# Altium PCB Copy of DIOT_temperature_logger.PcbDoc (part 4 of 7)
Units mm, origin at the board's own origin, x right, y up, seen from the top; angles counter-clockwise.
Board outline 301.1 x 109.1 mm, 4 copper layers (TOP, MID1, MID2, BOT), stack 1.564 mm thick; 651 components, 619 nets, 2526 pads, 1345 vias.
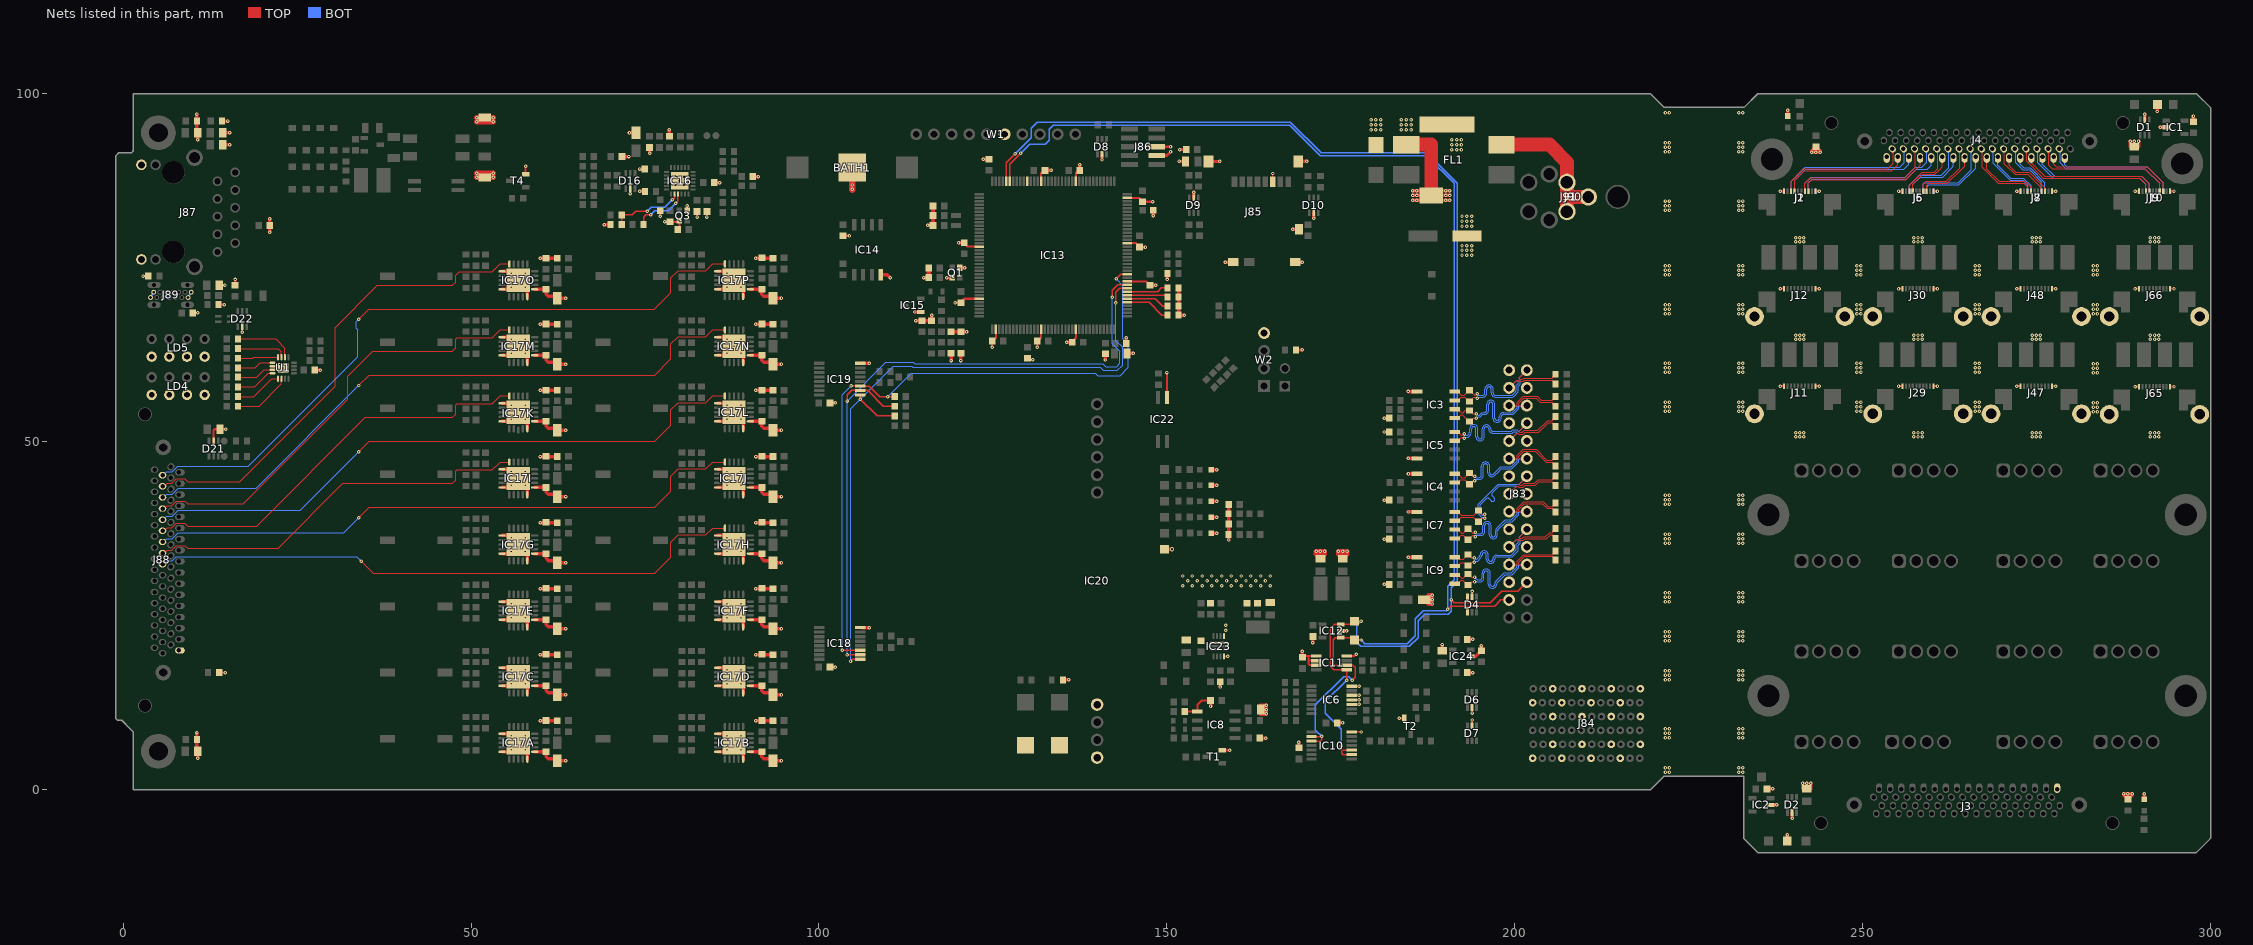
[diagram p6: the nets of this part, all layers, seen from the top]

## Via types
v1: diameter 0.5, hole 0.2, TOP to BOT, tented both sides, 1333 vias
v2: diameter 0.66, hole 0.33, TOP to BOT, tented both sides, 6 vias
v3: diameter 0.6, hole 0.3, TOP to BOT, tented both sides, 6 vias

## Nets (pads, with @x,y where several pads share a name; then routed paths per layer and width w, separated by ;. In a path a pad name is that pad's centre, name@x,y a point inside that pad or via, vN(x,y) a via of type N, cw(c..) or ccw(c..) an arc to the next point about the centre after c; other vN are vias at no path point) (continued)
FORCE_P07: IC17H.5 J88.51 | length 86.2
  TOP w0.152: v1(34.2,32.825) 35.939,31.086 76.411,31.086 78.725,33.4 78.725,35.572 79.752,36.598 83.765,36.598 84.742,37.575 IC17H.5@86.5,37.575
  BOT w0.152: J88.51@5.65,32.395 5.758,32.395 6.234,32.871 7.052,32.871 7.629,33.448 33.577,33.448 v1(34.2,32.825)
FORCE_P08: IC17I.5 J88.53 | length 56.6
  TOP w0.152: IC17I.5@55.5,47.075 54.2,47.075 53.075,45.95 47.975,45.95 47.775,45.75 47.775,44.475 47.3,44 31.585,44 22.259,34.674 9.251,34.674 8.875,35.05 7.631,35.05 6.981,34.4 6.344,34.4 J88.53@5.939,33.995 ; J88.53@5.939,33.995 J88.53@5.65,33.995 J88.53@5.939,33.995
FORCE_P09: IC17J.5 J88.55 | length 86.9
  TOP w0.152: v1(33.861,39.085) 35.363,40.586 36.79,40.586 76.411,40.586 78.725,42.9 78.725,45.072 79.752,46.098 83.765,46.098 84.742,47.075 IC17J.5@86.5,47.075
  BOT w0.152: J88.55@5.65,35.595 5.758,35.595 6.234,36.071 7.052,36.071 7.923,36.942 31.719,36.942 v1(33.861,39.085)
FORCE_P10: IC17K.5 J88.57 | length 58.9
  TOP w0.152: J88.57@5.65,37.195 5.939,37.195 6.344,37.6 6.981,37.6 7.631,38.25 8.875,38.25 9.251,37.874 19.184,37.874 34.81,53.5 47.3,53.5 47.775,53.975 47.775,55.25 47.975,55.45 53.075,55.45 54.2,56.575 IC17K.5@55.5,56.575
FORCE_P11: IC17L.5 J88.59 | length 89.5
  TOP w0.152: v1(33.861,48.585) 35.363,50.086 36.79,50.086 76.411,50.086 78.725,52.4 78.725,54.572 79.752,55.598 83.765,55.598 84.742,56.575 IC17L.5@86.5,56.575
  BOT w0.152: J88.59@5.65,38.795 5.758,38.795 6.234,39.271 7.052,39.271 7.923,40.142 25.419,40.142 v1(33.861,48.585)
FORCE_P12: IC17M.5 J88.61 | length 63.5
  TOP w0.152: J88.61@5.65,40.395 5.939,40.395 6.344,40.8 6.981,40.8 7.631,41.45 8.875,41.45 9.251,41.074 17.249,41.074 32.262,56.087 32.262,59.402 35.86,63 47.3,63 47.775,63.475 47.775,64.75 47.975,64.95 53.075,64.95 54.2,66.075 IC17M.5@55.5,66.075
FORCE_P13: IC17N.5 J88.63 | length 92.1
  TOP w0.152: v1(33.861,58.085) 35.363,59.586 36.79,59.586 76.411,59.586 78.725,61.9 78.725,64.072 79.752,65.098 83.765,65.098 84.742,66.075 IC17N.5@86.5,66.075
  BOT w0.152: J88.63@5.65,41.995 5.758,41.995 6.234,42.471 7.052,42.471 7.923,43.342 19.119,43.342 v1(33.861,58.085)
FORCE_P14: IC17O.5 J88.65 | length 68.9
  TOP w0.152: J88.65@5.65,43.595 5.939,43.595 6.344,44 6.981,44 7.631,44.65 8.875,44.65 9.25,44.275 16.78,44.275 30.45,57.945 30.45,66.375 36.55,72.475 47.3,72.475 47.775,72.95 47.775,73.925 48.275,74.425 53.075,74.425 54.2,75.55 IC17O.5@55.5,75.55
FORCE_P15: IC17P.5 J88.67 | length 97.9
  TOP w0.152: v1(33.861,67.585) 35.315,69.038 76.363,69.038 78.725,71.4 78.725,73.572 79.752,74.598 83.765,74.598 84.742,75.575 IC17P.5@86.5,75.575
  BOT w0.152: J88.67@5.65,45.195 5.758,45.195 6.234,45.671 7.052,45.671 7.824,46.443 17.957,46.443 33.707,62.192 33.707,66.074 33.5,66.281 33.5,67.223 v1(33.861,67.585)
FRTDIN_N00: J1.3 J4.2 | length 19.3
  TOP w0.152: J1.3@239.75,86 239.75,87.475 241.521,89.246 253.621,89.246 254.429,90.054 254.429,91.434 254.4,91.464 254.4,91.995 J4.2@254.295,92.1
FRTDIN_N01: J2.8 J4.4 | length 20.9
  BOT w0.152: J2.8@239.75,86 239.75,87.45 241.763,89.463 255.388,89.463 256.029,90.104 256.029,91.966 J4.4@255.895,92.1
FRTDIN_N02: J1.7 J4.6 | length 20.7
  TOP w0.152: J1.7@241.75,86 241.75,87.15 242.534,87.934 256.079,87.934 257.629,89.484 257.629,91.434 257.6,91.464 257.6,91.995 J4.6@257.495,92.1
FRTDIN_N03: J2.4 J4.8 | length 21.9
  BOT w0.152: J2.4@241.75,86 241.75,87.15 242.646,88.046 256.196,88.046 257.588,89.438 258.508,89.438 259.229,90.159 259.229,91.966 J4.8@259.095,92.1
FRTDIN_N04: J4.10 J5.3 | length 8.7
  TOP w0.152: J5.3@256.75,86 256.75,86.879 258.579,88.709 260.319,88.709 260.828,89.218 260.828,89.253 260.829,89.254 J4.10@260.829,91.966
FRTDIN_N05: J4.12 J6.8 | length 10.3
  BOT w0.152: J6.8@256.75,86 256.75,86.879 258.191,88.321 261.329,88.321 262.429,89.421 262.429,91.966 J4.12@262.295,92.1
FRTDIN_N06: J4.14 J5.7 | length 9.9
  TOP w0.152: J5.7@258.75,86 258.75,87 259.159,87.409 262.094,87.409 264.029,89.345 264.029,90.135 J4.14@264.029,91.966
FRTDIN_N07: J4.16 J6.4 | length 11.9
  BOT w0.152: J6.4@258.75,86 258.75,87.05 258.903,87.203 263.763,87.203 265.629,89.07 265.629,91.966 J4.16@265.495,92.1
FRTDIN_N08: J4.18 J7.3 | length 11
  TOP w0.152: J4.18@267.095,92.1 267.229,91.966 267.229,89.446 269.546,87.129 273.221,87.129 273.75,86.6 J7.3@273.75,86
FRTDIN_N09: J4.20 J8.8 | length 9.2
  BOT w0.152: J4.20@268.695,92.1 268.829,91.966 268.829,90.041 271.296,87.575 273.06,87.575 273.75,86.885 J8.8@273.75,86
FRTDIN_N10: J4.22 J7.7 | length 9.3
  TOP w0.152: J4.22@270.429,91.966 270.428,91.964 270.428,89.968 271.95,88.446 273.804,88.446 275.75,86.5 J7.7@275.75,86
FRTDIN_N11: J4.24 J8.4 | length 8.3
  BOT w0.152: J4.24@271.895,92.1 272.029,91.966 272.029,90.096 273.05,89.075 274.03,89.075 275.75,87.355 J8.4@275.75,86
FRTDIN_N12: J4.26 J9.3 | length 21.3
  TOP w0.152: J4.26@273.495,92.1 J4.26@273.6,91.995 ; J4.26@273.629,91.966 273.629,90.292 276.03,87.891 289.884,87.891 290.75,87.025 J9.3@290.75,86
FRTDIN_N13: J4.28 J10.8 | length 19.9
  BOT w0.152: J4.28@275.095,92.1 275.229,91.966 275.229,90.121 277.459,87.891 289.884,87.891 290.75,87.025 J10.8@290.75,86
FRTDIN_N14: J4.30 J9.7 | length 20.6
  TOP w0.152: J4.30@276.695,92.1 276.829,91.966 276.829,89.716 277.295,89.25 279.925,89.25 279.929,89.246 290.629,89.246 292.75,87.125 J9.7@292.75,86
FRTDIN_N15: J4.32 J10.4 | length 18.8
  BOT w0.152: J4.32@278.295,92.1 278.429,91.966 278.429,90.071 279.234,89.266 290.609,89.266 292.75,87.125 J10.4@292.75,86
FRTDIN_P00: J1.4 J4.3 | length 18.5
  TOP w0.152: J1.4@240.25,86 240.25,87.575 241.641,88.966 254.246,88.966 255.095,89.815 J4.3@255.095,90.95
FRTDIN_P01: J2.7 J4.5 | length 20
  BOT w0.152: J2.7@240.25,86 240.25,87.555 241.879,89.184 255.977,89.184 256.695,89.902 J4.5@256.695,90.95
FRTDIN_P02: J1.8 J4.7 | length 19.5
  TOP w0.152: J1.8@242.25,86 242.25,87.2 242.704,87.654 256.224,87.654 258.295,89.725 J4.7@258.295,90.95
FRTDIN_P03: J2.3 J4.9 | length 21.1
  BOT w0.152: J2.3@242.25,86 242.25,87.2 242.816,87.766 256.341,87.766 257.734,89.159 259.339,89.159 259.895,89.715 J4.9@259.895,90.95
FRTDIN_P04: J4.11 J5.4 | length 7.7
  TOP w0.152: J5.4@257.25,86 257.25,86.984 258.695,88.429 260.434,88.429 261.107,89.102 261.107,89.107 261.495,89.495 J4.11@261.495,90.95
FRTDIN_P05: J4.13 J6.7 | length 9.3
  BOT w0.152: J6.7@257.25,86 257.25,86.984 258.306,88.041 261.571,88.041 263.095,89.566 J4.13@263.095,90.95
FRTDIN_P06: J4.15 J5.8 | length 8.8
  TOP w0.152: J5.8@259.25,86 259.25,86.875 259.504,87.129 262.209,87.129 264.695,89.615 J4.15@264.695,90.95
FRTDIN_P07: J4.17 J6.3 | length 10.4
  BOT w0.152: J6.3@259.25,86 259.25,86.6 259.574,86.924 263.878,86.924 266.295,89.34 J4.17@266.295,90.95
FRTDIN_P08: J4.19 J7.4 | length 9.7
  TOP w0.152: J4.19@267.895,90.95 267.895,89.175 269.661,87.409 273.337,87.409 274.25,86.496 J7.4@274.25,86
FRTDIN_P09: J4.21 J8.7 | length 8
  BOT w0.152: J4.21@269.495,90.95 269.495,89.771 271.366,87.9 273.13,87.9 274.25,86.78 J8.7@274.25,86
FRTDIN_P10: J4.23 J7.8 | length 8.2
  TOP w0.152: J4.23@271.095,90.95 271.095,89.695 272.065,88.725 274.005,88.725 276.25,86.48 J7.8@276.25,86
FRTDIN_P11: J4.25 J8.3 | length 7
  BOT w0.152: J4.25@272.695,90.95 272.695,89.88 273.2,89.375 274.125,89.375 276.25,87.25 J8.3@276.25,86
FRTDIN_P12: J4.27 J9.4 | length 20.1
  TOP w0.152: J4.27@274.295,90.95 274.377,90.868 274.377,90.023 276.229,88.171 290.129,88.171 291.25,87.05 J9.4@291.25,86
FRTDIN_P13: J4.29 J10.7 | length 18.6
  BOT w0.152: J4.29@275.895,90.95 275.895,89.905 277.629,88.171 290.129,88.171 291.25,87.05 J10.7@291.25,86
FRTDIN_P14: J4.31 J9.8 | length 19.1
  TOP w0.152: J4.31@277.495,90.95 277.495,89.905 277.871,89.529 280.041,89.529 280.045,89.525 290.95,89.525 293.25,87.225 J9.8@293.25,86
FRTDIN_P15: J4.33 J10.3 | length 17.6
  BOT w0.152: J4.33@279.095,90.95 279.095,89.83 279.379,89.546 290.929,89.546 293.25,87.225 J10.3@293.25,86
GND: BATH1.2 C1.1 C2.1 C3.1 C4.1 C5.2 C6.2 C7.1 C8.1 C9.2 C10.1 C11.1 C12.1 C13.2 C14.1 C15.1 C16.1 C17.1 C18.1 C19.1 C20.2 C21.1 C22.2 C23.2 C24.1 C25.1 C26.1 C27.1 C28.1 C29.1 C30.1 C31.1 C32.1 C33.1 C34.1 C35.1 C36.1 C37.1 C38.1 C39.1 C40.1 C41.1 C42.1 C43.1 C44.1 C45.1 C46.1 C47.1 C48.1 C49.1 C50.2 C51.1 C52.1 C53.2 C54.1 C55.1 C56.1 C57.1 C58.1 C59.1 C60.2 C61.1 C63A.1 C63B.1 C63C.1 C63D.1 C63E.1 C63F.1 C63G.1 C63H.1 C63I.1 C63J.1 C63K.1 C63L.1 C63M.1 C63N.1 C63O.1 C63P.1 C64A.1 C64B.1 C64C.1 C64D.1 C64E.1 C64F.1 C64G.1 C64H.1 C64I.1 C64J.1 C64K.1 C64L.1 C64M.1 C64N.1 C64O.1 C64P.1 C65A.1 C65B.1 C65C.1 C65D.1 C65E.1 C65F.1 C65G.1 C65H.1 C65I.1 C65J.1 C65K.1 C65L.1 C65M.1 C65N.1 C65O.1 C65P.1 C66A.2 C66B.2 C66C.2 C66D.2 C66E.2 C66F.2 C66G.2 C66H.2 C66I.2 C66J.2 C66K.2 C66L.2 C66M.2 C66N.2 C66O.2 C66P.2 C67.2 C68.2 C69.1 C70.1 C71.1 C72.1 C73.1 C75.2 C76.2 C77.1 C78.1 C79.1 C80.1 C81.1 C82.1 C83.1 C84.1 C85.2 C86.1 C87.1 C88.1 C89.1 C90.2 C91.1 C92.1 C93.1 D1.2 D2.2 D4.2 D6.2 D7.2 D8.2 D9.2 D10.2 D16.2 D21.2 D22.2 D30.2 FL1.4 IC1.2 IC2.2 IC3.5 IC4.5 IC5.4 IC6.3 IC6.4 IC6.5 IC6.7 IC7.5 IC8.1 IC9.5 IC10.7 IC11.4 IC11.5 IC11.6 IC11.7 IC12.2 IC13.16 IC13.31 IC13.38 IC13.51 IC13.61 IC13.83 IC13.94 IC13.107 IC13.120 IC13.130 IC14.4 IC15.1 IC16.25 IC17A.6 IC17A.10 IC17A.15 IC17A.16 IC17A.21 IC17B.6 IC17B.10 IC17B.15 IC17B.16 IC17B.21 IC17C.6 IC17C.10 IC17C.15 IC17C.16 IC17C.21 IC17D.6 IC17D.10 IC17D.15 IC17D.16 IC17D.21 IC17E.6 IC17E.10 IC17E.15 IC17E.16 IC17E.21 IC17F.6 IC17F.10 IC17F.15 IC17F.16 IC17F.21 IC17G.6 IC17G.10 IC17G.15 IC17G.16 IC17G.21 IC17H.6 IC17H.10 IC17H.15 IC17H.16 IC17H.21 IC17I.6 IC17I.10 IC17I.15 IC17I.16 IC17I.21 IC17J.6 IC17J.10 IC17J.15 IC17J.16 IC17J.21 IC17K.6 IC17K.10 IC17K.15 IC17K.16 IC17K.21 IC17L.6 IC17L.10 IC17L.15 IC17L.16 IC17L.21 IC17M.6 IC17M.10 IC17M.15 IC17M.16 IC17M.21 IC17N.6 IC17N.10 IC17N.15 IC17N.16 IC17N.21 IC17O.6 IC17O.10 IC17O.15 IC17O.16 IC17O.21 IC17P.6 IC17P.10 IC17P.15 IC17P.16 IC17P.21 IC18.8 IC19.8 IC20.7 IC20.10 IC22.3 IC23.3 IC23.4 IC23.11 IC24.2 J1.1 J1.10 J2.1 J2.10 J3.1 J4.1 J5.1 J5.10 J6.1 J6.10 J7.1 J7.10 J8.1 J8.10 J9.1 J9.10 J10.1 J10.10 J11.1 J11.10 J12.1 J12.10 J29.1 J29.10 J30.1 J30.10 J47.1 J47.10 J48.1 J48.10 J65.1 J65.10 J66.1 J66.10 J83.1 J83.4 J83.7 J83.10 J83.13 J83.16 J83.19 J83.22 J83.25 J84.A2 J84.A4 J84.A6 J84.C1 J84.C5 J84.D2 J84.D4 J84.D6 J84.F1 J84.F5 J84.G2 J84.G4 J84.G6 J84.I1 J84.I5 J84.J2 J84.J4 J84.J6 J84.L1 J84.L5 J85.6 J85.9 J85.10 J85.11 J85.13 J85.14 J86.3 J86.5 J87.L2 J87.L4 J88.1 J89.A1 J89.A12 J89.B1 J89.B12 LD1.1 LD2.1 LD4.1 LD4.3 LD4.5 LD4.7 LD5.1 LD5.3 LD5.5 LD5.7 LD6.1 LD7.1 LD8.1 LD9.1 LD10.1 pad.MH@234.5,54 pad.MH@234.5,68 pad.MH@247.5,68 pad.MH@251.5,54 pad.MH@251.5,68 pad.MH@264.5,54 pad.MH@264.5,68 pad.MH@268.5,54 pad.MH@268.5,68 pad.MH@281.5,54 pad.MH@281.5,68 pad.MH@285.5,53.925 pad.MH@285.5,68 pad.MH@298.5,53.925 pad.MH@298.5,68 Q1.2 Q1.4 Q3.2 Q3.4 R2.2 R3.2 R56.1 R58.1 R59.2 R60.2 R61.2 R62.2 R64.2 R65.1 R99.1 R102.1 R104.2 R106.1 R110.1 R120.1 R121.1 R122.2 R137.1 R138.2 R140.2 R142.1 R146.1 R155.2 T1.2 T2.2 T4.2 TP4.1 TP7.1 TP16.1 U1.6 U1.17 W1.5 W2.4 | length 458.8
  TOP w0.171: J85.6@165.25,87.4 v1(165.25,88.559)
  TOP w0.2: IC10.7@176.6,8.275 v1(177.95,8.275)
  TOP w0.3: v1(2.85,73.8) R137.1@3.6,73.8 ; R138.2@10,68.5 10.025,68.525 v1(10.725,68.525) ; D21.2@13,50.1 13,51.675 13.125,51.8 C69.1@13.9,51.8 v1(14.75,51.8) ; R140.2@13.7,69.7 v1(14.525,69.7) ; R122.2@13.8,16.8 v1(14.65,16.8) ; C72.1@13.8,72.5 v1(14.625,72.5) ; C73.1@16.1,72.5 v1(16.1,73.325) ; v1(17.1,65.725) D22.2@17.1,66.55 ; T4.2@57.85,88.45 v1(57.85,89.625) ; v1(72.906,85.642) D16.2@72.906,86.392 ; v1(77.825,81.6) C59.1@78.6,81.6 79.75,81.6 Q3.2@79.95,81.8 79.95,80.75 C61.1@79.7,80.5 ; Q3.4@81.05,83.2 v1(81.05,83.9) ; v1(82.5,82.3) C58.1@82.5,83.1 ; v1(83.9,82.3) C57.1@83.9,83.1 ; R102.1@90.475,88.1 R102.1@90.5,88.1 ; v1(119.575,70) 120.3,70 120.85,70.55 IC13.31@123.075,70.55 ; C44.1@120.8,78.6 121.35,78.05 IC13.16@123.075,78.05 ; v1(124.9,63.6) 124.9,64.4 125.45,64.95 IC13.38@125.45,66.175 ; R64.2@130,62 130.2,61.8 v1(130.75,61.8) ; v1@131.4,63.575 v1(131.4,63.6) 131.4,64.4 131.95,64.95 IC13.51@131.95,66.175 ; IC13.130@131.95,87.425 131.95,88.65 C41.1@132.5,89.2 ; C42.1@136.4,64.3 136.4,64.4 136.95,64.95 IC13.61@136.95,66.175 ; IC13.120@136.95,87.425 136.95,88.65 C38.1@137.5,89.2 ; IC13.83@144.325,73.05 147.05,73.05 C46.1@147.6,72.5 ; IC13.94@144.325,78.55 145.55,78.55 C47.1@146.1,78 ; IC13.107@144.325,85.05 146.05,85.05 146.6,84.5 v1(147.975,84.5) ; v1(150.025,59.95) 150.035,59.94 IC22.3@150.035,56.35 ; C12.1@152.6,11.2 154.395,11.2 IC8.1@154.4,11.205 154.4,12.15 155.05,12.8 C10.1@156.3,12.8 ; T1.2@157.975,5.65 v1(159.075,5.65) ; IC23.11@158.25,19.15 v1(158.8,19.15) ; C16.1@169.675,19.175 170.385,19.175 ; IC11.7@171.5,17.875 171.49,17.885 170.56,17.885 170.385,18.061 170.385,18.59 ; IC11.6@171.5,18.525 170.45,18.525 170.385,18.59 ; IC11.5@171.5,19.175 170.385,19.175 ; C14.1@174.5,9.6 v1(175.275,9.6) ; IC11.4@175.9,19.175 176.95,19.175 v1(177.25,19.475) ; IC6.3@176.6,12.25 v1(177.65,12.25) ; IC6.4@176.6,12.9 v1(177.65,12.9) ; IC6.5@176.6,13.55 v1(177.65,13.55) ; IC6.7@176.6,14.85 v1(177.65,14.85) ; v1(183.425,10.25) T2.2@184.15,10.25 ; D7.2@193.9,9.2 v1(193.9,10) ; v1(193.9,11) D6.2@193.9,11.8 ; D4.2@193.9,27.7 v1(193.9,28.475) ; v1(238.201,58) J11.1@238.75,58 ; v1@238.201,72 J12.1@238.75,72 ; v1(238.201,86) J1.1@238.75,86 ; J11.10@243.25,58 v1@243.799,58 ; J12.10@243.25,72 v1@243.799,72 ; J1.10@243.25,86 v1@243.799,86 ; v1(255.2,86) J5.1@255.75,86 ; v1(255.201,58) J29.1@255.75,58 ; v1@255.201,72 J30.1@255.75,72 ; J29.10@260.25,58 v1(260.8,58) ; J30.10@260.25,72 v1(260.8,72.001) ; J5.10@260.25,86 v1@260.799,86 ; v1(272.201,58) J47.1@272.75,58 ; v1@272.201,72 J48.1@272.75,72 ; v1(272.2,86) J7.1@272.75,86 ; J47.10@277.25,58 v1(277.8,58) ; J48.10@277.25,72 v1(277.8,72.001) ; J7.10@277.25,86 v1@277.799,86 ; v1(289.201,57.925) J65.1@289.75,57.925 ; v1@289.201,72 J66.1@289.75,72 ; v1(289.2,86) J9.1@289.75,86 ; J9.10@294.25,86 v1@294.799,86 ; J65.10@294.25,57.925 v1(294.8,57.926) ; J66.10@294.25,72 v1(294.8,72.001) ; 170.385,18.59 170.385,19.175
  TOP w0.4: U1.6@21.45,60.85 22.75,60.85 v1(23,60.6) ; C24.1@27.525,60.3 v1(28.325,60.3) ; v1(77.2,82.425) C55.1@77.2,83.2 ; C70.1@101.6,17.6 v1(102.375,17.6) ; C71.1@101.6,55.6 v1(102.375,55.6) ; C27.1@103.5,79.6 v1(104.4,79.6) ; v1(140.7,90.525) D8.2@140.7,91.3 ; J86.3@148.55,91.13 150.005,91.13 v1(150.55,91.675) ; J86.5@148.55,92.4 v1(150.55,92.4) ; v1(151.775,90.3) C26.1@152.7,90.3 ; v1(151.875,92) C25.1@152.8,92 ; J85.9@156,90.3 v1(157.625,90.3) ; R56.1@168.6,63.2 v1(169.5,63.2)
  TOP w0.5: C68.2@10.6,5.6 R121.1@10.6,7.2 v1(10.6,8.2) ; C67.2@10.6,94.5 R120.1@10.6,96.1 v1(10.6,97.1) ; v1(10.7,4.5) C68.2@10.7,5.5 ; v1(10.7,93.4) C67.2@10.7,94.4 ; R99.1@14.2,96.1 v1(15,96.1) ; C60.2@14.3,92.7 v1(15.3,92.7) ; C50.2@14.3,94.4 v1(15.3,94.4) ; v1(21.075,80.125) C51.1@21.075,81.1 v1(21.075,82.07) ; IC17A.10@54.45,5.425 IC17A.21@55.5,5.425 ; IC17A.6@54.45,8.025 55.8,8.025 v1(55.8,7.725) ; IC17C.10@54.45,14.925 IC17C.21@55.5,14.925 ; IC17C.6@54.45,17.525 55.8,17.525 v1(55.8,17.225) ; IC17E.10@54.45,24.425 IC17E.21@55.5,24.425 ; IC17E.6@54.45,27.025 55.8,27.025 v1(55.8,26.725) ; IC17G.10@54.45,33.925 IC17G.21@55.5,33.925 ; IC17G.6@54.45,36.525 55.8,36.525 v1(55.8,36.225) ; IC17I.10@54.45,43.425 IC17I.21@55.5,43.425 ; IC17I.6@54.45,46.025 55.8,46.025 v1(55.8,45.725) ; IC17K.10@54.45,52.925 IC17K.21@55.5,52.925 ; IC17K.6@54.45,55.525 55.8,55.525 v1(55.8,55.225) ; IC17M.10@54.45,62.425 IC17M.21@55.5,62.425 ; IC17M.6@54.45,65.025 55.8,65.025 v1(55.8,64.725) ; IC17O.10@54.45,71.9 IC17O.21@55.5,71.9 ; IC17O.6@54.45,74.5 55.8,74.5 v1(55.8,74.2) ; IC17A.15@58.1,4.375 IC17A.21@58.1,5.425 ; IC17C.15@58.1,13.875 IC17C.21@58.1,14.925 ; IC17E.15@58.1,23.375 IC17E.21@58.1,24.425 ; IC17G.15@58.1,32.875 IC17G.21@58.1,33.925 ; IC17I.15@58.1,42.375 IC17I.21@58.1,43.425 ; IC17K.15@58.1,51.875 IC17K.21@58.1,52.925 ; IC17M.15@58.1,61.375 IC17M.21@58.1,62.425 ; IC17O.15@58.1,70.85 IC17O.21@58.1,71.9 ; IC17A.16@59.15,5.425 60.4,5.425 C65A.1@60.587,5.237 ; IC17C.16@59.15,14.925 60.4,14.925 C65C.1@60.587,14.737 ; IC17E.16@59.15,24.425 60.4,24.425 C65E.1@60.587,24.237 ; IC17G.16@59.15,33.925 60.4,33.925 C65G.1@60.587,33.737 ; IC17I.16@59.15,43.425 60.4,43.425 C65I.1@60.587,43.237 ; IC17K.16@59.15,52.925 60.4,52.925 C65K.1@60.587,52.737 ; IC17M.16@59.15,62.425 60.4,62.425 C65M.1@60.587,62.237 ; IC17O.16@59.15,71.9 60.4,71.9 C65O.1@60.587,71.712 ; v1(59.925,9.875) C64A.1@62.4,9.875 ; v1(59.925,19.375) C64C.1@62.4,19.375 ; v1(59.925,28.875) C64E.1@62.4,28.875 ; v1(59.925,38.375) C64G.1@62.4,38.375 ; v1(59.925,47.875) C64I.1@62.4,47.875 ; v1(59.925,57.375) C64K.1@62.4,57.375 ; v1(59.925,66.875) C64M.1@62.4,66.875 ; v1(59.925,76.35) C64O.1@62.4,76.35 ; C65A.1@60.8,5.425 60.8,4.725 61.1,4.425 C66A.2@62.4,4.425 ; C65C.1@60.8,14.925 60.8,14.225 61.1,13.925 C66C.2@62.4,13.925 ; C65E.1@60.8,24.425 60.8,23.725 61.1,23.425 C66E.2@62.4,23.425 ; C65G.1@60.8,33.925 60.8,33.225 61.1,32.925 C66G.2@62.4,32.925 ; C65I.1@60.8,43.425 60.8,42.725 61.1,42.425 C66I.2@62.4,42.425 ; C65K.1@60.8,52.925 60.8,52.225 61.1,51.925 C66K.2@62.4,51.925 ; C65M.1@60.8,62.425 60.8,61.725 61.1,61.425 C66M.2@62.4,61.425 ; C65O.1@60.8,71.9 60.8,71.2 61.1,70.9 C66O.2@62.4,70.9 ; C66A.2@62.4,4.125 v1(63.625,4.125) ; C66C.2@62.4,13.625 v1(63.625,13.625) ; C66E.2@62.4,23.125 v1(63.625,23.125) ; C66G.2@62.4,32.625 v1(63.625,32.625) ; C66I.2@62.4,42.125 v1(63.625,42.125) ; C66K.2@62.4,51.625 v1(63.625,51.625) ; C66M.2@62.4,61.125 v1(63.625,61.125) ; C66O.2@62.4,70.6 v1(63.625,70.6) ; v1(69.175,81.2) R106.1@70.1,81.2 ; C92.1@71.7,91 v1(72.675,91) ; v1(72.775,94.4) C53.2@73.7,94.4 ; v1(74.225,89.2) C54.1@74.975,89.2 ; v1(74.275,86) R104.2@75,86 ; v1(75.675,91.475) C52.1@75.675,92.3 ; R110.1@78.5,93.9 v1(78.5,94.85) ; C56.1@85.05,87.25 v1(85.75,87.25) ; IC17B.10@85.45,5.425 IC17B.21@86.5,5.425 ; IC17B.6@85.45,8.025 86.8,8.025 v1(86.8,7.725) ; IC17D.10@85.45,14.925 IC17D.21@86.5,14.925 ; IC17D.6@85.45,17.525 86.8,17.525 v1(86.8,17.225) ; IC17F.10@85.45,24.425 IC17F.21@86.5,24.425 ; IC17F.6@85.45,27.025 86.8,27.025 v1(86.8,26.725) ; IC17H.10@85.45,33.925 IC17H.21@86.5,33.925 ; IC17H.6@85.45,36.525 86.8,36.525 v1(86.8,36.225) ; IC17J.10@85.45,43.425 IC17J.21@86.5,43.425 ; IC17J.6@85.45,46.025 86.8,46.025 v1(86.8,45.725) ; IC17L.10@85.45,52.925 IC17L.21@86.5,52.925 ; IC17L.6@85.45,55.525 86.8,55.525 v1(86.8,55.225) ; IC17N.10@85.45,62.425 IC17N.21@86.5,62.425 ; IC17N.6@85.45,65.025 86.8,65.025 v1(86.8,64.725) ; IC17P.10@85.45,71.925 IC17P.21@86.5,71.925 ; IC17P.6@85.45,74.525 86.8,74.525 v1(86.8,74.225) ; IC17B.15@89.1,4.375 IC17B.21@89.1,5.425 ; IC17D.15@89.1,13.875 IC17D.21@89.1,14.925 ; IC17F.15@89.1,23.375 IC17F.21@89.1,24.425 ; IC17H.15@89.1,32.875 IC17H.21@89.1,33.925 ; IC17J.15@89.1,42.375 IC17J.21@89.1,43.425 ; IC17L.15@89.1,51.875 IC17L.21@89.1,52.925 ; IC17N.15@89.1,61.375 IC17N.21@89.1,62.425 ; IC17P.15@89.1,70.875 IC17P.21@89.1,71.925 ; IC17B.16@90.15,5.425 91.4,5.425 C65B.1@91.587,5.237 ; IC17D.16@90.15,14.925 91.4,14.925 C65D.1@91.587,14.737 ; IC17F.16@90.15,24.425 91.4,24.425 C65F.1@91.587,24.237 ; IC17H.16@90.15,33.925 91.4,33.925 C65H.1@91.587,33.737 ; IC17J.16@90.15,43.425 91.4,43.425 C65J.1@91.588,43.237 ; IC17L.16@90.15,52.925 91.4,52.925 C65L.1@91.587,52.737 ; IC17N.16@90.15,62.425 91.4,62.425 C65N.1@91.588,62.237 ; IC17P.16@90.15,71.925 91.4,71.925 C65P.1@91.587,71.737 ; R102.1@90.5,88.1 v1(91.3,88.1) ; v1(90.925,9.875) C64B.1@93.4,9.875 ; v1(90.925,19.375) C64D.1@93.4,19.375 ; v1(90.925,28.875) C64F.1@93.4,28.875 ; v1(90.925,38.375) C64H.1@93.4,38.375 ; v1(90.925,47.875) C64J.1@93.4,47.875 ; v1(90.925,57.375) C64L.1@93.4,57.375 ; v1(90.925,66.875) C64N.1@93.4,66.875 ; v1(90.925,76.375) C64P.1@93.4,76.375 ; C65B.1@91.8,5.425 91.8,4.725 92.1,4.425 C66B.2@93.4,4.425 ; C65D.1@91.8,14.925 91.8,14.225 92.1,13.925 C66D.2@93.4,13.925 ; C65F.1@91.8,24.425 91.8,23.725 92.1,23.425 C66F.2@93.4,23.425 ; C65H.1@91.8,33.925 91.8,33.225 92.1,32.925 C66H.2@93.4,32.925 ; C65J.1@91.8,43.425 91.8,42.725 92.1,42.425 C66J.2@93.4,42.425 ; C65L.1@91.8,52.925 91.8,52.225 92.1,51.925 C66L.2@93.4,51.925 ; C65N.1@91.8,62.425 91.8,61.725 92.1,61.425 C66N.2@93.4,61.425 ; C65P.1@91.8,71.925 91.8,71.225 92.1,70.925 C66P.2@93.4,70.925 ; C66B.2@93.4,4.125 v1(94.625,4.125) ; C66D.2@93.4,13.625 v1(94.625,13.625) ; C66F.2@93.4,23.125 v1(94.625,23.125) ; C66H.2@93.4,32.625 v1(94.625,32.625) ; C66J.2@93.4,42.125 v1(94.625,42.125) ; C66L.2@93.4,51.625 v1(94.625,51.625) ; C66N.2@93.4,61.125 v1(94.625,61.125) ; C66P.2@93.4,70.625 v1(94.625,70.625) ; IC18.8@106.175,23.275 v1(107.225,23.275) ; IC19.8@106.2,61.275 v1(107.25,61.275) ; IC14.4@108.905,74 109.8,74 v1(110.25,73.55) ; v1(113.8,68.65) IC15.1@114.65,68.65 ; v1(113.9,67.4) C36.1@114.8,67.4 C34.1@116.2,67.4 v1(116.2,68.175) ; v1(115.05,73.6) C20.2@115.8,73.6 ; v1(115.625,81.1) C22.2@116.4,81.1 ; v1@118.45,73.6 Q1.2@119.15,73.6 ; v1(119,61.675) C28.1@119,62.7 ; C35.1@119,65.8 v1(121.225,65.8) ; v1(120.075,78.6) C44.1@120.8,78.6 ; Q1.4@120.25,75 v1(120.95,75) ; v1(120.4,61.675) C29.1@120.4,62.7 ; v1(123.625,90.625) C37.1@124.425,90.625 ; C41.1@132.5,89.2 132.7,89 v1(133.375,89) ; R146.1@135.075,15.775 v1(135.9,15.775) ; v1(135.625,64.3) C42.1@136.4,64.3 ; C38.1@137.5,89.2 v1(137.5,89.825) ; v1(141.2,61.75) C30.1@141.2,62.65 ; C43.1@144.2,64.1 v1(144.2,64.975) ; C49.1@144.3,62.7 v1(145.175,62.7) ; C47.1@146.1,78 146.125,77.975 v1(146.95,77.975) ; C46.1@147.6,72.5 v1(148.425,72.5) ; v1(148.05,82.475) C31.1@148.05,83.3 ; TP16.1@149.7,34.55 v3(150.75,34.55) ; v1(150.1,73.325) R142.1@150.1,74.2 ; R62.2@151.7,72.1 R61.2@151.7,70.8 R60.2@151.7,69.5 R59.2@151.7,68.2 v1(152.525,68.2) ; D9.2@153.9,85.1 v1(153.9,85.85) ; v1(156.3,11.975) C10.1@156.3,12.8 ; LD7.1@156.425,36.85 v1(157.2,36.85) ; LD10.1@156.425,39.15 v1(157.2,39.15) ; LD9.1@156.425,41.45 v1(157.2,41.45) ; LD8.1@156.425,43.75 v1(157.2,43.75) ; LD6.1@156.425,46 v1(157.2,46) ; v1(157.7,14.75) C79.1@157.7,15.5 ; v1(158.4,75.825) J85.11@159.55,75.825 ; v1(158.9,35.875) R58.1@158.9,36.65 C18.1@158.9,38.15 R65.1@158.9,39.65 C21.1@158.9,41.059 ; C11.1@163.4,7.4 v1(164.225,7.4) ; v1(168.108,80.55) J85.14@169.025,80.55 ; J85.13@168.45,75.825 v1(169.5,75.825) ; J85.10@168.9,90.3 v1(170.15,90.3) ; C15.1@169,6 v1(169,6.8) ; C16.1@169.5,19 v1(169.5,19.9) ; v1(171,21.1) C17.1@171,22 ; v1(171.15,82.125) D10.2@171.15,82.9 ; IC12.2@175,22.8 v1(175.85,22.8) ; v1(181.25,29.525) C6.2@182,29.525 ; v1(181.25,35.975) C9.2@182,35.975 ; v1(181.25,41.6) C5.2@182,41.6 ; v1(181.25,51.4) C7.1@182,51.4 ; v1(181.25,53.4) C13.2@182,53.4 ; v1(184.725,33.4) 184.73,33.405 IC9.5@186,33.405 ; v1(184.725,39.9) 184.73,39.905 IC7.5@186,39.905 ; v1(184.725,57.225) 184.745,57.205 IC3.5@186,57.205 ; v1@184.75,45.4 v1(184.755,45.405) IC4.5@186,45.405 ; v1(184.75,47.6) 184.755,47.595 IC5.4@186,47.595 ; v1(185.375,84.7) 188.025,84.7 v1@190.675,84.7 ; v1(185.375,85.4) v1(190.675,85.4) ; v1(185.375,86.1) 188.025,86.1 v1(190.675,86.1) ; C88.1@189.625,19.95 v1(189.625,20.85) ; C91.1@193.2,16.8 v1(194,16.8) ; C93.1@193.2,21.6 v1(193.975,21.6) ; IC24.2@193.725,19.15 194.425,19.15 C89.1@195.225,19.95 v1(195.225,20.7) ; C4.1@236.3,0.1 v1(237.1,0.1) ; IC2.2@236.8,-2.2 v1(237.7,-2.2) ; TP7.1@239.194,-7.394 v1(239.194,-6.47) ; LD1.1@239.3,96.825 v1(239.3,97.625) ; v1(239.9,-4.1) D2.2@239.9,-3.3 ; C1.1@241.4,0.1 v1(241.4,0.9) ; C1.1@242,0.1 v1(242,0.9) ; C1.1@242.6,0.1 v1(242.6,0.9) ; C2.1@288.5,92.4 v1(288.5,93.2) ; C2.1@289.1,92.4 v1(289.1,93.2) ; C2.1@289.7,92.4 v1(289.7,93.2) ; LD2.1@290.5,-1.375 v1(290.5,-0.575) ; D1.2@290.6,96.3 v1(290.6,97.1) ; v1(292.406,97.47) TP4.1@292.406,98.5 ; v1(292.8,95.2) IC1.2@293.7,95.2 ; C3.1@297.6,96 v1(297.6,96.8) ; v1(243.325,91.6) v1(243.925,91.6) 243.925,91.8 R3.2@243.325,92.4 ; v1(243.325,91.6) v1(242.725,91.6) 242.725,91.8 R3.2@243.325,92.4 ; v1(243.325,91.6) R3.2@243.325,92.4 ; R2.2@288.175,-1.4 v1(288.175,-0.6) ; R2.2@288.175,-1.4 288.775,-0.8 v1(288.775,-0.6) v1(288.175,-0.6) ; R2.2@288.175,-1.4 287.575,-0.8 v1(287.575,-0.6) v1(288.175,-0.6)